# Altium PCB power_load.PcbDoc (part 2 of 2)
Units mm, origin at the board's own origin, x right, y up, seen from the top; angles counter-clockwise.
Board outline 130 x 130 mm, 2 copper layers (TOP, BOT), stack 1.67 mm thick; 142 components, 97 nets, 426 pads, 434 vias.
Unrouted connection lines stored in the file: 70.
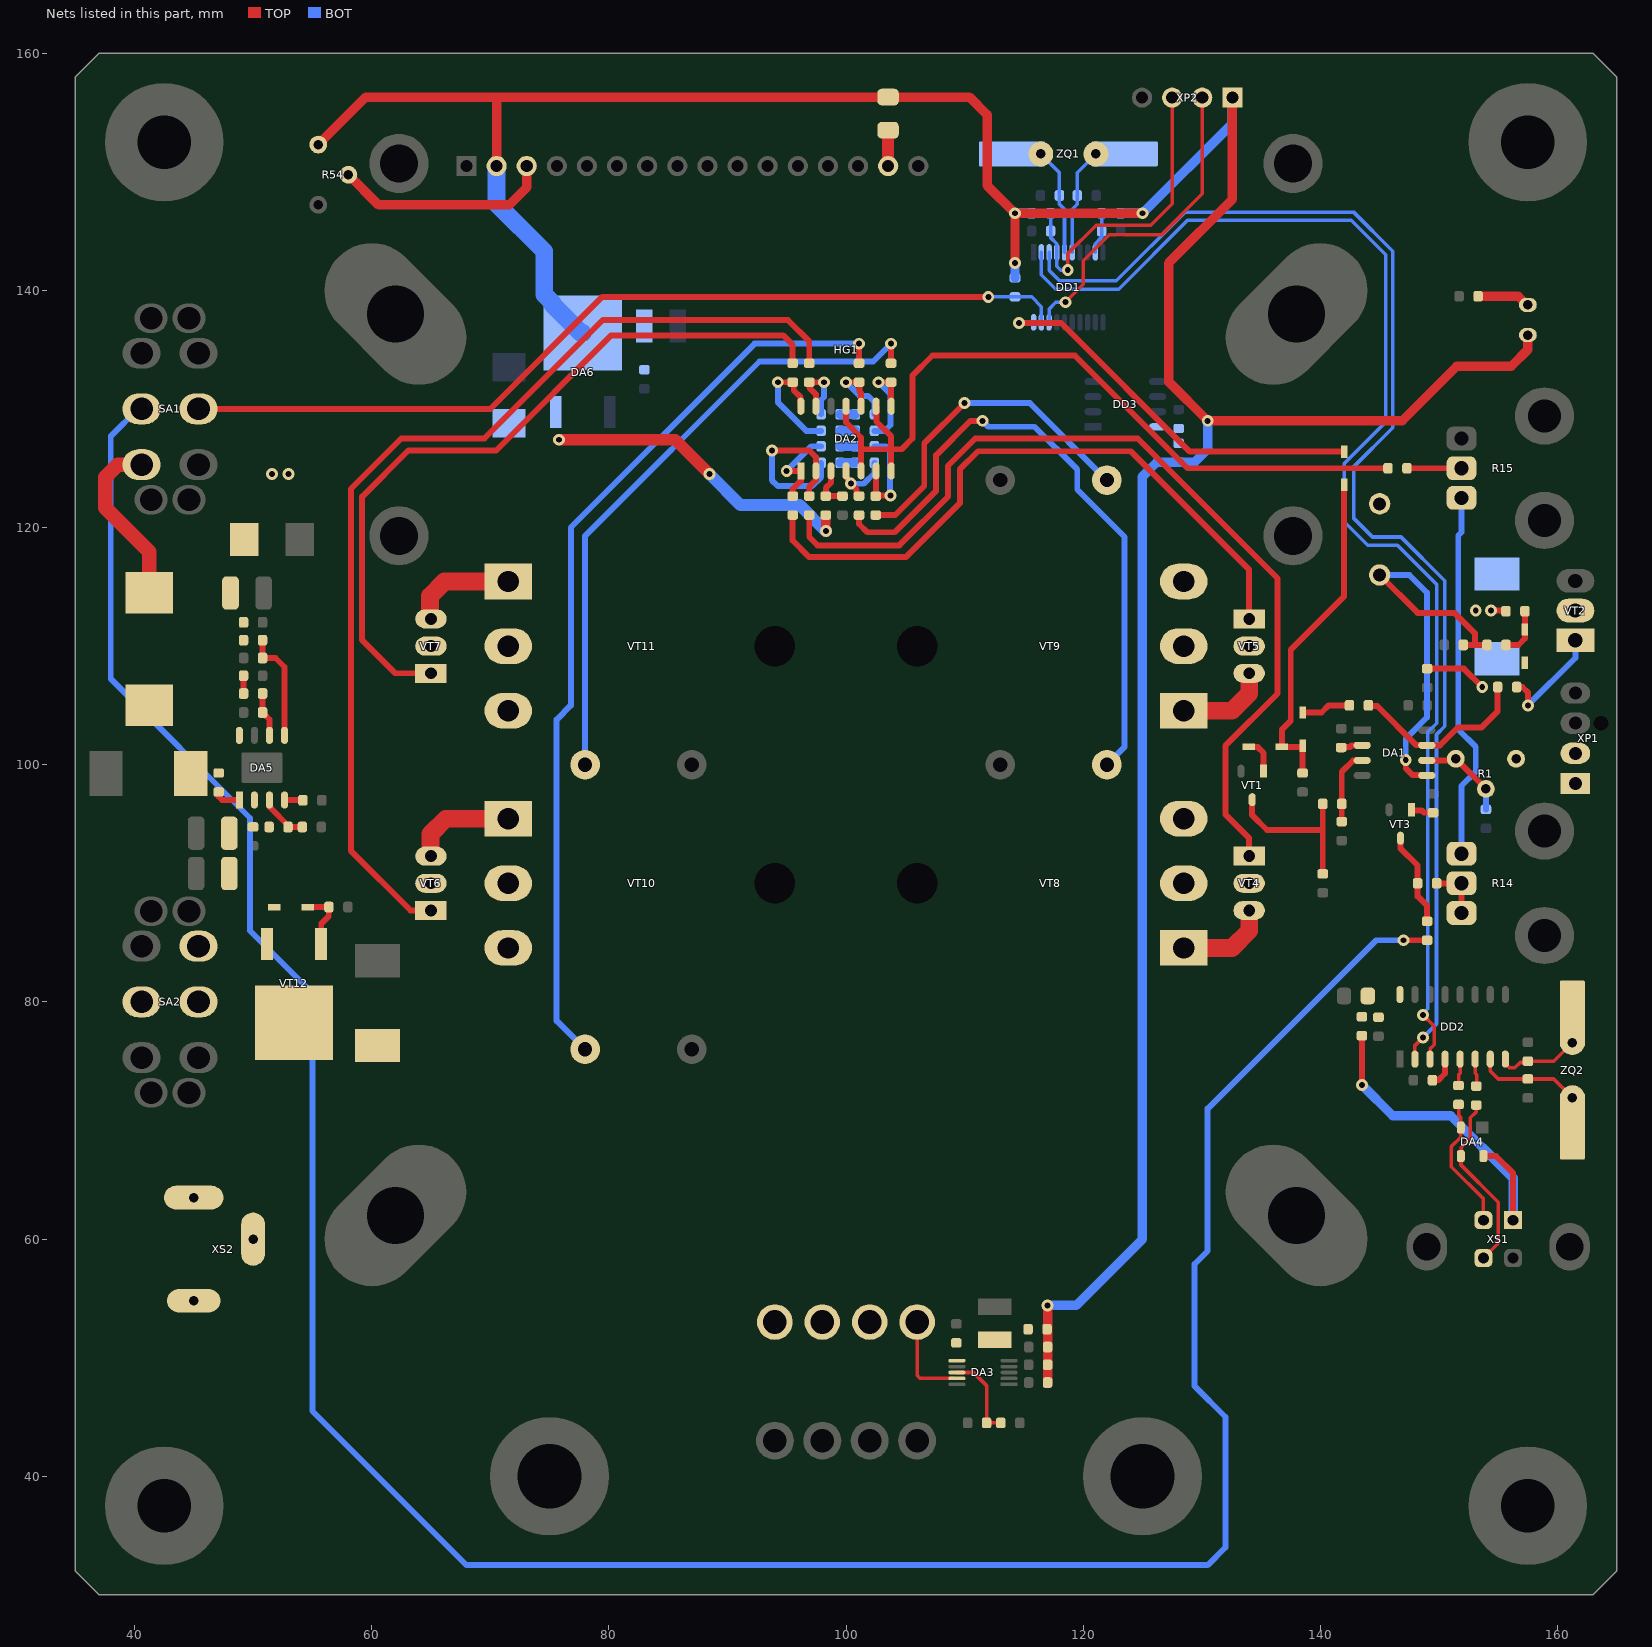
[diagram p2: the nets of this part, all layers, seen from the top]

## Via types
v1: diameter 1, hole 0.5, TOP to BOT, tented both sides, 418 vias
v2: diameter 1.5, hole 0.8, TOP to BOT, tented both sides, 16 vias

## Nets (pads, with @x,y where several pads share a name; then routed paths per layer and width w, separated by ;. In a path a pad name is that pad's centre, name@x,y a point inside that pad or via, vN(x,y) a via of type N, cw(c..) or ccw(c..) an arc to the next point about the centre after c; other vN are vias at no path point) (continued)
NetC2_2: C2.2 DA1.2 | length 1.9
  TOP w0.5: C2.2@141.75,101.45 141.797,101.497 142.497,101.497 142.625,101.625 143.515,101.625 DA1.2@143.525,101.635
NetC3_1: C3.1 DA2.3 Z2.1 | length 3.7
  TOP w0.5: DA2.3@98.73,124.775 98.73,123.78 98.3,123.35 Z2.1@98.3,122.65 C3.1@99.7,122.65
NetC4_1: C4.1 DA2.1 R23.1 | length 7.4
  TOP w0.5: v1(95,124.775) DA2.1@96.19,124.775 96.19,123.94 95.5,123.25 R23.1@95.5,122.65
  BOT w0.5: v1(95,124.775) 97.075,126.85 C4.1@97.9,126.85
NetC4_2: C4.2 R19.2 | length 1.3
  BOT w0.8: C4.2@99.5,126.85 R19.2@100.8,126.85
NetC5_1: C5.1 DA2.2 R25.1 | length 15.8
  TOP w0.5: v1(93.75,126.5) 96.9,126.5 97.46,125.94 DA2.2@97.46,124.775 97.46,124.01 96.9,123.45 R25.1@96.9,122.65
  BOT w0.5: v1(93.75,126.5) 93.75,124 94.25,123.5 97.15,123.5 97.9,124.25 C5.1@97.9,125.45
NetC5_2: C5.2 R20.2 | length 1.3
  BOT w0.8: C5.2@99.5,125.45 R20.2@100.8,125.45
NetC6_1: C6.1 DA2.14 R27.1 | length 9.9
  TOP w0.5: v1(94.25,132.25) R27.1@95.5,132.25 95.597,132.153 95.597,131.553 96.171,130.979 96.171,130.244 DA2.14@96.19,130.225
  BOT w0.5: v1(94.25,132.25) 94.25,130.55 96.65,128.15 C6.1@97.9,128.15
NetC6_2: C6.2 R21.2 | length 1.3
  BOT w0.8: C6.2@99.5,128.15 R21.2@100.8,128.15
NetC7_1: C7.1 DA2.13 R29.1 | length 6.3
  TOP w0.5: DA2.13@97.46,130.225 97.46,131.24 96.9,131.8 R29.1@96.9,132.25 v1(98.15,132.25)
  BOT w0.5: C7.1@97.9,129.55 97.9,130.75 98.15,131 v1(98.15,132.25)
NetC7_2: C7.2 R22.2 | length 1.3
  BOT w0.8: C7.2@99.5,129.55 R22.2@100.8,129.55
NetC8_1: C8.1 C9.1 DA3.6 Z3.2
NetC12_2: C12.2 DD2.7 ZQ2.1 | length 8.9
  TOP w0.3: DD2.7@154.325,75.175 154.325,74.175 155,73.5 C12.2@157.5,73.5 159.675,73.5 ZQ2.1@161.25,71.925
NetC13_1: C13.1 C16.1 DD2.16 Z4.2
NetC14_2: C14.2 DD2.8 ZQ2.2 | length 7.1
  TOP w0.3: DD2.8@155.595,75.175 155.595,74.805 155.95,74.45 156.4,74.45 156.84,74.89 157.39,74.89 C14.2@157.5,75 159.675,75 ZQ2.2@161.25,76.575
NetC15_1: C15.1 DD2.4 | length 2.5
  TOP w0.5: C15.1@149.45,73.4 149.95,73.4 150.515,73.965 DD2.4@150.515,75.175
NetC17_2: C17.2 DD1.9 Z5.1 | length 3.5
  BOT w0.3: DD1.9@121.025,143.2 121.025,143.925 121.55,144.45 C17.2@121.55,145 Z5.1@121.55,146.5
NetC18_2: C18.2 C19.2 C21.2 DA5.2 R49.1 VD7.1 VT12.3
NetC22_2: C22.2 R52.2 | length 1.5
  TOP w0.5: R52.2@49.2,106 C22.2@49.2,107.5
NetC24_2: C24.2 DA5.6 R52.1 | length 3.5
  TOP w0.5: C24.2@50.8,104.4 R52.1@50.8,106 ; C24.2@51,104.2 51.385,103.815 DA5.6@51.385,102.475
NetC26_1: C26.1 DA5.8 L1.1 VD8.2
NetC26_2: C26.2 DA5.1 | length 2.2
  TOP w0.5: C26.2@47.1,97.7 47.1,97.318 47.393,97.025 DA5.1@48.845,97.025
NetC32_1: C32.1 DD3.8 Z6.1
NetDA1_3: DA1.3 R10.1 R11.2 | length 6.3
  TOP w0.5: R11.2@141.8,95.2 R10.1@141.8,96.7 141.8,99.4 142.746,100.346 143.506,100.346 DA1.3@143.525,100.365
NetDA1_5: DA1.5 KT2.1 R4.2 R7.2 | length 35.3
  TOP w0.5: KT2.1@145,115.7 KT2.1@145,115.8 ; KT2.1@145,116 148.2,112.8 151.3,112.8 153.05,111.05 153.05,110.1 ; v1(147.2,100.4) 147.2,99.7 147.786,99.114 148.956,99.114 DA1.5@148.975,99.095 ; R4.2@152.05,110.1 153.05,110.1 ; R7.2@154.05,110.1 153.05,110.1
  BOT w0.5: KT2.1@145,116 147.5,116 148.977,114.523 148.977,103.977 147.2,102.2 v1(147.2,100.4)
NetDA1_6: DA1.6 R1.2 R1.3 R3.2 | length 7.9
  TOP w0.5: DA1.6@148.975,100.365 151.285,100.365 R1.3@151.42,100.5 ; R1.3@151.45,100.53 R1.3@151.42,100.5 ; R1.2@153.96,97.96 R1.3@151.42,100.5
  BOT w0.5: R3.2@153.96,96.23 R1.2@153.96,97.96
NetDA1_7: DA1.7 R2.1 R8.1 | length 15.5
  TOP w0.5: R2.1@144.05,105 144.096,104.954 144.797,104.954 148.097,101.654 148.956,101.654 DA1.7@148.975,101.635 150.085,101.635 151.6,103.15 153.6,103.15 154.95,104.5 R8.1@154.95,106.55
NetDA2_4: DA2.4 R20.1 R26.1 | length 5.8
  TOP w0.5: DA2.4@100,124.775 100.019,124.756 100.019,124.239 100.404,123.855 100.404,123.673 100.9,123.177 100.9,122.8 101.05,122.65 R26.1@101.1,122.65
  BOT w0.5: v1(100.404,123.72) 100.433,123.69 101.49,123.69 102.4,124.6 R20.1@102.4,125.45
NetDA2_5: DA2.5 DA2.7 DA2.9 DA2.11 R18.2 | length 66.7
  TOP w0.5: DA2.11@100,130.225 100,128.863 101.27,127.593 101.27,126.6 ; DA2.5@101.27,124.775 101.27,126.6 ; DA2.9@102.54,130.225 102.559,130.206 102.559,128.941 103.81,127.69 103.81,126.6 ; DA2.7@103.81,124.775 103.81,126.6 ; R18.2@145.7,125 128.8,125 119.3,134.5 107.3,134.5 105.6,132.8 105.6,127.5 104.7,126.6 103.81,126.6 ; 101.27,126.6 103.81,126.6
NetDA2_6: DA2.6 R19.1 R24.1 | length 8.6
  TOP w0.5: R24.1@102.5,122.65 R24.1@102.54,122.69 ; DA2.6@102.54,124.775 R24.1@102.54,122.69 ; v1(103.75,122.7) 102.55,122.7 R24.1@102.54,122.69
  BOT w0.5: R19.1@102.4,126.85 103.35,126.85 103.7,126.5 103.7,122.75 v1(103.75,122.7)
NetDA2_8: DA2.8 R21.1 R28.1 | length 8.7
  TOP w0.5: v1(102.75,132.25) R28.1@103.8,132.25 103.8,130.235 DA2.8@103.81,130.225
  BOT w0.5: R21.1@102.4,128.15 103.25,128.15 103.75,128.65 103.75,131.25 v1(102.75,132.25)
NetDA2_10: DA2.10 R22.1 R30.1 | length 7.3
  TOP w0.5: v1(100,132.25) R30.1@101.1,132.25 101.122,132.228 101.122,131.478 101.27,131.33 DA2.10@101.27,130.225
  BOT w0.5: v1(100,132.25) 101.15,131.1 101.85,131.1 102.4,130.55 R22.1@102.4,129.55
NetDA3_8: DA3.8 R39.2 R40.1 | length 7.3
  TOP w0.3: DA3.8@109.35,48.75 110.75,48.75 111.85,47.65 R39.2@111.85,44.5 R40.1@113.05,44.5
NetDA3_9: DA3.9 R35.1 R36.1 R37.1 R38.1 VT4.2 VT5.2 VT6.2 VT7.2 VT8.2 VT9.2 VT10.2 VT11.2 | length 7.7
  TOP w0.3: R35.1@106,53 106,48.5 106.25,48.25 DA3.9@109.05,48.25
NetDA4_2: DA4.2 R44.1 XS1.2 | length 11.3
  TOP w0.3: R44.1@151.65,71.35 151.65,70.483 151.85,70.282 DA4.2@151.85,69.4 151.85,68.6 151.05,67.8 151.05,66.1 153.75,63.4 XS1.2@153.75,61.6
NetDA4_3: DA4.3 R45.1 XS1.3 | length 15.3
  TOP w0.3: R45.1@153.15,71.3 153.15,70.722 152.65,70.222 152.65,68.5 151.883,67.733 151.883,67.033 DA4.3@151.85,67 151.858,66.992 151.858,66.242 155,63.1 155,59.65 XS1.3@153.75,58.4
NetDA4_4: DA4.4 XS1.1 Z4.1 | length 30.8
  TOP w0.5: v1(143.5,73) Z4.1@143.5,77.15 ; DA4.4@153.75,67 154.8,67 156.25,65.55 XS1.1@156.25,61.6
  BOT w0.8: v1(143.5,73) 146.1,70.4 151,70.4 156.25,65.15 XS1.1@156.25,61.6
NetDA5_3: DA5.3 R49.2 R50.2 | length 4
  TOP w0.5: DA5.3@51.4,97.01 51.4,96.427 53.077,94.75 R50.2@54.16,94.75
NetDA5_4: DA5.4 R51.1 | length 1.6
  TOP w0.5: DA5.4@52.655,97.025 52.667,97.012 54.188,97.012 R51.1@54.2,97
NetDA5_5: DA5.5 R55.2 R56.1 | length 9.4
  TOP w0.5: R56.1@50.8,110.5 R55.2@50.8,109 51.9,109 52.655,108.245 DA5.5@52.655,102.475
NetDD2_5: DD2.5 R44.2 | length 2.3
  TOP w0.3: R44.2@151.65,72.95 151.65,73.85 151.785,73.985 DD2.5@151.785,75.175
NetDD2_6: DD2.6 R45.2 | length 2.3
  TOP w0.3: DD2.6@153.055,75.175 153.055,73.985 153.19,73.85 R45.2@153.19,72.95
NetHG1_3: HG1.3 R54.2 | length 18.5
  TOP w0.8: R54.2@58.04,149.75 60.58,147.21 71.61,147.21 73.077,148.677 HG1.3@73.077,150.484
NetHG1_15: HG1.15 R53.2 | length 3
  TOP w1: HG1.15@103.55,150.489 R53.2@103.55,153.5
  TOP w1.5: HG1.15@103.55,150.489 HG1.15@103.556,150.483
NetHL1_1: HL1.1 R47.2 | length 4.5
  TOP w0.8: R47.2@153.3,139.5 156.681,139.5 157.411,138.77 HL1.1@157.5,138.77
NetR2_2: R2.2 VD2.1 | length 4.2
  TOP w0.5: VD2.1@138.5,104.4 140.1,104.4 140.7,105 R2.2@142.45,105
NetR5_1: R5.1 VD1.1 VD2.2 VD3.2 | length 28.3
  TOP w0.5: R5.1@138.5,99.3 VD2.2@138.5,101.525 ; VD2.2@138.5,101.6 VD2.2@138.5,101.525 ; VD1.1@142,123.6 142,114.2 137.5,109.7 137.5,103.7 136.75,102.95 VD3.2@136.75,101.5 138.475,101.5 VD2.2@138.5,101.525
NetR6_2: R6.2 VT3.1 | length 1.9
  TOP w0.5: VT3.1@147.7,96.2 147.75,96.15 148.536,96.15 148.736,95.95 R6.2@149.5,95.95
NetR7_1: R7.1 R16.1 VD4.1 | length 4.1
  TOP w0.5: R7.1@155.65,110.1 156.701,110.1 157.25,110.649 VD4.1@157.25,111.4 R16.1@157.25,112.95
NetR8_2: R8.2 VT2.1 | length 9.4
  TOP w0.5: R8.2@156.55,106.55 157.05,106.55 157.5,106.1 v1(157.5,105)
  BOT w0.5: v1(157.5,105) 161.5,109 VT2.1@161.5,110.5
NetR9_1: R9.1 R10.2 VT1.3 | length 13.6
  TOP w0.5: VT1.3@134.25,97.05 134.25,95.75 135.5,94.5 140.175,94.5 ; R9.1@140.2,90.8 R10.2@140.2,96.7
NetR12_1: R12.1 R13.2 VT3.3 | length 7.9
  TOP w0.5: VT3.3@146.75,93.8 146.75,92.95 148.2,91.5 R13.2@148.2,90 148.2,88.9 149,88.1 R12.1@149,86.8
NetR12_2: R12.2 SA1.3 | length 238.7
  TOP w0.5: v1(147,85.2) R12.2@149,85.2
  BOT w0.5: SA1.3@40.6,130 40.3,130 38,127.7 38,107.25 49.75,95.5 49.75,86 55,80.75 55,45.5 68,32.5 130.5,32.5 132,34 132,45 129.4,47.6 129.4,57.9 130.5,59 130.5,71 144.7,85.2 v1(147,85.2)
NetR13_1: R13.1 R14.2 R14.3 | length 4.6
  TOP w0.5: R13.1@149.8,90 R14.2@151.9,90 R14.3@151.9,87.5
NetR14_1: R14.1 R15.3 | length 31.2
  BOT w0.5: R14.1@151.9,92.5 151.9,98.214 153.1,99.414 153.1,101.5 151.625,102.975 151.625,119.325 151.9,119.6 R15.3@151.9,122.5
NetR15_2: R15.2 R18.1 | length 4.6
  TOP w0.5: R18.1@147.3,125 R15.2@151.9,125
NetR23_2: R23.2 VT5.1 | length 54.9
  TOP w0.5: R23.2@95.5,121.05 95.5,118.9 96.9,117.5 105.052,117.5 109.6,122.048 109.6,124.9 111.133,126.433 124.004,126.433 134,116.438 VT5.1@134,112.29
NetR24_2: R24.2 R32.2 VT9.3 | length 28.2
  TOP w0.5: R24.2@102.5,121.05 104.15,121.05 106.6,123.5 106.6,127.1 v1(110,130.5)
  BOT w0.5: v1(110,130.5) 115.5,130.5 R32.2@122,124
NetR25_2: R25.2 VT4.1 | length 77.8
  TOP w0.5: R25.2@96.9,121.05 96.9,119.2 97.6,118.5 104.5,118.5 108.6,122.6 108.6,125.2 110.9,127.5 124.6,127.5 136.4,115.7 136.4,106 131.991,101.591 131.991,95.809 134,93.8 VT4.1@134,92.29
NetR26_2: R26.2 R31.2 VT8.3 | length 54
  TOP w0.5: R26.2@101.1,121.05 101.1,120.3 101.8,119.6 104.1,119.6 107.6,123.1 107.6,126.1 110.5,129 v1(111.5,129)
  BOT w0.5: v1(111.5,129) 112,128.5 115.9,128.5 119.5,124.9 119.5,123.2 123.5,119.2 123.5,101.5 R31.2@122,100
NetR27_2: R27.2 VT7.1 | length 62.4
  TOP w0.5: VT7.1@64.5,107.71 61.99,107.71 59.2,110.5 59.2,122.6 63.1,126.5 70.5,126.5 80.2,136.2 94.7,136.2 95.5,135.4 R27.2@95.5,133.85
NetR28_2: R28.2 R34.2 VT11.3 | length 53.5
  TOP w0.5: R28.2@103.8,133.85 v1(103.8,135.5)
  BOT w0.5: R34.2@78,100 78,119.3 92.7,134 102.3,134 v1(103.8,135.5)
NetR29_2: R29.2 VT6.1 | length 86
  TOP w0.5: VT6.1@64.5,87.71 63.29,87.71 58.25,92.75 58.25,123.25 62.5,127.5 69.5,127.5 79.5,137.5 95.1,137.5 96.9,135.7 R29.2@96.9,133.85
NetR30_2: R30.2 R33.2 VT10.3 | length 77.9
  TOP w0.5: R30.2@101.1,133.85 v1(101.1,135.5)
  BOT w0.5: R33.2@78,76 75.6,78.4 75.6,103.8 76.8,105 76.8,120 92.3,135.5 v1(101.1,135.5)
NetR46_2: R46.2 VD7.2 VT12.1 | length 5.2
  TOP w0.5: VD7.2@54.6,88 R46.2@56.4,88 56.4,87.817 56.383,87.8 56.383,87.223 55.75,86.59 55.75,84.92 VT12.1@55.73,84.9
NetSA2_1: SA2.1 VD6.2 VT12.2
NetSA2_3: SA2.3 XS2.1
NetSA2_4: SA2.4 XS2.2 XS2.3
NetVD3_1: VD3.1 VT1.1 | length 3
  TOP w0.5: VD3.1@133.95,101.5 133.975,101.475 134.725,101.475 135.2,101 VT1.1@135.2,99.45
NetVD4_2: VD4.2 VD5.1 VT2.2 XP1.1
NetVT4_3: VT4.3 VT8.1 | length 7.8
  TOP w1.5: VT8.1@128.475,84.55 132.55,84.55 134,86 VT4.3@134,87.71
NetVT5_3: VT5.3 VT9.1 | length 7.8
  TOP w1.5: VT9.1@128.475,104.55 132.55,104.55 134,106 VT5.3@134,107.71
NetVT6_3: VT6.3 VT10.1 | length 9.4
  TOP w1.5: VT6.3@64.5,92.29 64.918,92.29 64.964,92.336 64.964,94.164 66.25,95.45 VT10.1@71.525,95.45
NetVT7_3: VT7.3 VT11.1 | length 9.4
  TOP w1.5: VT7.3@64.5,112.29 64.868,112.29 64.914,112.336 64.914,114.214 66.15,115.45 VT11.1@71.525,115.45
NRST: C20.2 DD1.4 R48.1 XP2.3 | length 26.6
  TOP w0.3: v1(118.7,141.7) 118.7,143.1 121.1,145.5 125.7,145.5 127.5,147.3 XP2.3@127.5,156.25
  BOT w0.3: R48.1@117.25,146.5 C20.2@117.25,145 117.25,144.45 117.775,143.925 DD1.4@117.775,143.2 117.775,142.025 118.1,141.7 v1(118.7,141.7)
OFF: DD1.20 VD1.2 | length 32.9
  TOP w0.5: v1(114.6,137.25) 118.15,137.25 129,126.4 VD1.2@142,126.4
  BOT w0.5: v1(114.6,137.25) 115.6,137.25
OSC_IN: C11.1 DD1.5 ZQ1.2 | length 9.1
  BOT w0.3: ZQ1.2@116.425,151.5 118,149.925 C11.1@118,148 118,147.25 118.425,146.825 DD1.5@118.425,143.2
OSC_OUT: C10.1 DD1.6 ZQ1.1 | length 9.1
  BOT w0.3: DD1.6@119.075,143.2 119.075,146.825 119.5,147.25 C10.1@119.5,148 119.5,149.925 ZQ1.1@121.075,151.5
RUN_MODE: DD1.19 R17.1 SA1.4 | length 76.7
  TOP w0.5: SA1.4@45.4,130 70,130 79.45,139.45 v1(112,139.45)
  BOT w0.3: v1(112,139.45) R17.1@114.25,139.45 115.65,139.45 116.475,138.625 DD1.19@116.475,137.3
SWIO: DD1.18 XP2.2 | length 27.3
  TOP w0.3: v1(118.5,139) 120,140.5 120,142.5 122.2,144.7 126.6,144.7 130.04,148.14 XP2.2@130.04,156.25
  BOT w0.3: DD1.18@117.125,137.3 117.125,138.425 117.7,139 v1(118.5,139)
UART_RX: DD1.3 DD2.2 | length 109.8
  TOP w0.3: DD2.2@147.975,75.175 147.975,76.325 v1(148.65,77)
  BOT w0.3: DD1.3@117.125,143.2 117.125,141.675 118,140.8 122.8,140.8 128.6,146.6 142.8,146.6 146.1,143.3 146.1,128.4 142.8,125.1 142.8,120.8 144.4,119.2 146.8,119.2 150.5,115.5 150.5,103.25 149.791,102.541 149.791,78.141 v1(148.65,77)
UART_TX: DD1.2 DD2.3 | length 110
  TOP w0.3: v1(148.65,78.9) 149.6,77.95 149.6,76.4 149.25,76.05 149.25,75.18 DD2.3@149.245,75.175
  BOT w0.3: DD1.2@116.475,143.2 116.475,141.325 117.7,140.1 123,140.1 128.8,145.9 142.6,145.9 145.5,143 145.5,128.9 142,125.4 142,120.5 144,118.5 146.5,118.5 149.8,115.2 149.8,103.5 149.059,102.759 149.059,79.426 148.65,79.016 v1(148.65,78.9)
VCC_5V0: C27.2 C28.1 DA6.2 HG1.2 HL1.2 R17.2 R41.2 R42.2 R43.2 R48.2 R53.1 R54.1 XP2.1 Z3.1 Z5.2 Z6.2 | length 274.8
  TOP w0.8: R54.1@55.5,152.29 59.51,156.3 R53.1@103.55,156.3 110.4,156.3 111.9,154.8 111.9,148.85 v1(114.25,146.5) ; HG1.2@70.537,150.484 70.537,156.263 ; v1(114.25,142.3) v1(114.25,146.5) ; R43.2@117,47.9 117,48.067 R41.2@117,50.9 v1(117,54.4) ; v1(125,146.5) v1(114.25,146.5) ; XP2.1@132.58,156.25 132.58,147.68 127.2,142.3 127.2,132.3 v1(130.5,129) 146.9,129 151.5,133.6 156.1,133.6 157.5,135 HL1.2@157.5,136.23
  BOT w0.8: R17.2@114.25,141.05 v1(114.25,142.3) ; v1(114.25,146.5) R48.2@115.65,146.5 ; v1(117,54.4) 119.41,54.4 125,59.99 125,124.3 126.2,125.5 129.4,125.5 130.5,126.6 v1(130.5,129) ; Z5.2@123.15,146.5 v1(125,146.5) 132.58,154.08 XP2.1@132.58,156.25
  BOT w1.5: HG1.2@70.537,150.484 70.537,147.3 74.55,143.288 74.55,139.65 75.25,138.95 75.25,138.8 77.65,136.4 DA6.2@77.8,136.4
VCC_12V0: C23.1 C25.2 C29.2 C30.2 C31.1 DA6.3 KT1.1 L1.2 R1.1 R16.2 R56.2 SA1.1 VD5.2 XP1.2 Z1.2 Z2.2 | length 48.4
  TOP w0.5: Z1.2@149,108.1 152.1,108.1 v1(153.65,106.55) ; v1(154.4,113) 155.6,113 R16.2@155.65,112.95
  TOP w0.8: v1(98.3,119.7) Z2.2@98.3,121.05
  TOP w1: v1(75.8,127.4) 85.6,127.4 v1(88.5,124.5)
  TOP w1.2: SA1.1@40.6,125.3 38.6,125.3 37.541,124.241 37.541,121.659 41.25,117.95 L1.2@41.25,114.5
  BOT w1: v1(88.5,124.5) 91.1,121.9 96.1,121.9 v1(98.3,119.7)
  other v1: 153.1,113 51.6,124.5 53,124.5
pads on no net: DD2.9 DD2.10 DD2.11 DD2.12 DD2.13 DD2.14 DD2.15 HG1.7 HG1.8 HG1.9 HG1.10 HG1.M1 HG1.M2 HG1.M3 HG1.M4 MECH1.1 MECH2.1 MECH3.1 MECH4.1 R14.4 R14.5 R15.4 R15.5 SA1.6 SA2.5 SA2.6 VT8.M VT9.M VT10.M VT11.M XP1.0 XP1.3 XP1.4

## Polygon pours and split planes (outlines as drawn)
GND on TOP "TOP-GND" (solid, remove dead copper, pour order 36): 132.494,47.5 ccw(c132.5,50.028) 132.5,47.5 cw(c132.5,45) 135,45 135,35 ccw(c137.5,35) 137.5,32.5 145,32.5 ccw(c145,35) 147.5,35 147.5,45 cw(c150,45) 150,47.5 160,47.5 ccw(c160,50) 162.5,50 162.5,140 ccw(c160,140) 160,142.5 150,142.5 cw(c150,145) 147.5,145 147.5,155 ccw(c145,155) 145,157.5 55,157.5 ccw(c55,155) 52.5,155 52.5,145 cw(c50,145) 50,142.5 40,142.5 ccw(c40,140) 37.501,140.073 37.5,120.25 cw(c36.75,120.25) 36.75,119.5 ccw(c36.75,118.75) 36,118.75 35.999,89.251 ccw(c36.75,89.251) 36.75,88.5 cw(c36.75,87.75) 37.5,87.75 37.5,50 ccw(c40,50) 40,47.5 50,47.5 cw(c50,45) 52.5,45 52.5,35 ccw(c55,35) 55,32.5 75,32.5 ccw(c75,40) 82.5,40 82.5,45 ccw(c75,45) 75,52.5 57.5,52.5 cw(c57.5,55) 55,55 55,60.672 cw(c59.414,60.672) 56.293,63.793 64.086,71.586 ccw(c60.674,74.999) 65.5,75 65.5,81.042 65.5,81.043 ccw(c61.982,81.043) 64.469,83.531 57.207,90.793 cw(c58.914,92.5) 56.5,92.5 56.5,119 cw(c60,119) 60,122.5 63.586,122.5 cw(c63.587,119.088) 66,121.5 66.439,121.061 ccw(c69,123.621) 69,120 100.938,120 ccw(c100.938,124.062) 105,124.062 105,127 cw(c110.5,127) 110.5,132.5 123,132.5 137,118.5 137,108.364 cw(c131.293,108.364) 135.328,104.328 133.383,102.383 ccw(c135.515,100.251) 132.5,100.251 132.5,98.5 ccw(c134.914,98.5) 133.207,96.793 135.439,94.561 cw(c132.879,92) 136.5,92 136.5,83 cw(c132.879,83) 135.439,80.439 132.121,77.121 ccw(c137.242,72) 130,72 130,63.8 cw(c127.45,63.8) 127.45,61.25 111,61.25 ccw(c111,58.75) 108.5,58.75 108.5,47.25 ccw(c109.5,47.25) 109.5,46.25 112.75,46.25 cw(c112.75,45) 114,45 114,44 ccw(c114.75,44) 114.75,43.25 115.189,43.25 ccw(c115.189,45.811) 117,44 119.689,46.689 cw(c121.646,44.732) 121.646,47.5
NetSA2_4 on TOP "NONET_L-01_P-001" (solid, pour order 9): 41,82 39,82 ccw(c39,79) 36,79 36,55.5 ccw(c38.5,55.5) 38.5,53 50,53 ccw(c50,55.5) 52.5,55.5 52.5,62.5 ccw(c51,62.5) 51,64 50,64 ccw(c50,62.5) 48.5,62.5 48.5,61.5 cw(c47,61.5) 47,60 42.5,60 cw(c42.5,64) 38.5,64 38.5,76.5 cw(c40,76.5) 40,78 41,78 ccw(c41,80) 43,80 ccw(c41,80)
NetVD4_2 on TOP "TOP-NetVD4_2" (solid, pour order 29): 159.55,97.35 162.45,97.35 ccw(c162.45,98.4) 163.5,98.4 ccw(c162.4,98.4) 162.4,99.5 160.15,99.5 cw(c160.15,100.2) 159.45,100.2 159.45,111.25 cw(c160.15,111.25) 160.15,111.95 162.45,111.95 ccw(c162.45,113) 163.5,113 ccw(c162.45,113) 162.45,114.05 159.55,114.05 ccw(c159.55,112.75) 158.25,112.75 158.25,110.5 cw(c157.15,110.5) 157.15,109.4 ccw(c157.15,108.5) 156.25,108.5 ccw(c157.15,108.5) 157.15,107.6 cw(c157.15,106.5) 158.25,106.5 158.25,98.65 ccw(c159.55,98.65)
VCC_12V0 on TOP "NONET_L-01_P-001" (solid, pour order 26): 143.75,121.25 152.555,112.445 ccw(c153.75,113.64) 153.75,111.95 155.5,111.95 ccw(c155.5,112.95) 156.5,112.95 ccw(c155.5,112.95) 155.5,113.95 155.25,113.95 cw(c155.25,114.433) 154.909,114.091 145.75,123.25 ccw(c144.75,122.25) 143.75,123.25 ccw(c144.75,122.25)
NetC13_1 on TOP "NONET_L-01_P-001" (solid, pour order 14): 143,78.6 143,80.8 cw(c144,80.8) 144,81.8 146.3,81.8 cw(c146.3,80.8) 147.3,80.8 147.3,80.266 cw(c145.934,80.266) 146.9,79.3 146.2,78.6 cw(c144.993,79.807) 144.993,78.1 143.5,78.1 cw(c143.5,78.6)
NetR24_2 on TOP "NONET_L-01_P-001" (solid, pour order 12): 123.5,125 131.646,116.854 cw(c130.793,116) 132,116 132,115.5 cw(c130,115.5) 130,113.5 124.5,113.5 cw(c124.5,116.88) 122.11,114.49 118.49,118.11 cw(c120.88,120.5) 117.5,120.5 117.5,123.5 cw(c119.5,123.5) 119.5,125.5 122.293,125.5 cw(c122.293,123.793)
NetDA3_9 on TOP "NONET_L-01_P-001" (solid, pour order 1): 68.121,112.121 68.222,112.222 cw(c70.099,110.345) 70.1,113 128.286,113 cw(c128.286,109.345) 130.871,111.929 ccw(c133.114,114.173) 133.114,111 134.6,111 cw(c134.6,110) 135.6,110 cw(c134.6,110) 134.6,109 133.073,109 ccw(c133.073,105.927) 130.9,108.1 cw(c128.244,110.755) 128.244,107 124.5,107 ccw(c124.5,101.5) 119,101.5 119,98.5 ccw(c124.5,98.5) 124.5,93 128.444,93 cw(c128.445,89.245) 131.089,91.911 ccw(c133.3,94.139) 133.3,91 134.6,91 cw(c134.6,90) 135.6,90 cw(c134.6,90) 134.6,89 133.314,89 ccw(c133.314,85.828) 131.071,88.071 cw(c128.486,90.655) 128.486,87 118.5,87 ccw(c118.5,76.5) 108,76.5 108,53 cw(c106.001,52.999) 106,51 94,51 cw(c94,53) 92,53 92,76.5 ccw(c81.5,76.5) 81.5,87 70.243,87 cw(c70.242,90) 68.121,87.879 67.929,88.071 ccw(c65.687,85.83) 65.686,89 64,89 cw(c64,90) 63,90 cw(c64,90) 64,91 65.7,91 ccw(c65.7,94.138) 67.919,91.919 68.121,92.121 cw(c70.242,90.001) 70.243,93 75.5,93 ccw(c75.5,98.5) 81,98.5 81,101.5 ccw(c75.5,101.5) 75.5,107 70.11,107 cw(c70.11,109.68) 68.215,107.785 68.121,107.879 ccw(c65.415,105.173) 65.414,109 64,109 cw(c64,110) 63,110 cw(c64,110) 64,111 65.414,111 ccw(c65.414,114.828)
NetR26_2 on TOP "NONET_L-01_P-001" (solid, pour order 31): 130,93.9 124.9,93.9 cw(c124.9,96.314) 123.193,94.607 120.849,96.951 cw(c122.897,99) 120,99 120,100 cw(c122,100) 122,102 130,102 cw(c130,101) 131,101 131,94.9 cw(c130,94.9)
LOAD on TOP "NONET_L-01_P-001" (solid, pour order 2): 92.9,45 108.3,45 ccw(c108.3,45.724) 108.812,45.212 cw(c109.265,44.759) 109.266,45.4 109.992,45.4 cw(c109.992,44.415) 110.689,45.111 cw(c110.421,44.843) 110.8,44.843 110.8,43 ccw(c111.8,43) 111.8,42 116,42 ccw(c116,45.764) 119.078,43.598 cw(c123.706,40.342) 123.706,46 125.6,46 cw(c125.6,40.6) 131,40.6 131,37 cw(c126,37) 126,32 93,32 cw(c93,34) 91,34 91,43.1 cw(c92.9,43.1)
NetC8_1 on TOP "NONET_L-01_P-001" (solid, pour order 20): 115.55,53 111.75,53 ccw(c111.75,51.914) 110.982,52.682 110.665,52.365 cw(c109.784,53.245) 109.784,52 108.75,52 ccw(c108.75,51.8) 108.55,51.8 108.55,49.8 ccw(c108.75,49.8) 108.75,49.6 109.859,49.6 ccw(c109.859,50.784) 110.697,49.947 111.2,50.45 cw(c112.045,49.605) 112.045,50.8 114.05,50.8 ccw(c114.05,51.3) 114.55,51.3 cw(c115,51.3) 115,51.75 115.55,51.75 ccw(c115.55,52.25) 116.05,52.25 116.05,52.5 ccw(c115.55,52.5)
VCC_12V0 on TOP "TOP-VCC_12V0" (solid, pour order 18): 38.702,112.798 ccw(c39.5,112.798) 39.5,112 46.8,112 cw(c46.8,111.518) 47.141,111.859 47.359,111.641 cw(c47.018,111.301) 47.5,111.3 47.5,110.4 ccw(c48.1,110.4) 48.1,109.8 49.3,109.8 ccw(c49.3,110.4) 49.9,110.4 49.9,112.1 ccw(c49.176,112.1) 49.688,112.612 49.212,113.088 cw(c49.724,113.6) 49,113.6 49,115.4 cw(c49.966,115.4) 49.283,116.083 50.555,117.355 ccw(c50.207,117.704) 50.7,117.705 50.7,119.147 cw(c52.034,119.147) 51.091,120.091 53.262,122.262 ccw(c51.48,124.044) 54,124.044 54,124.5 ccw(c52.5,124.5) 52.5,126 52.1,126 ccw(c52.1,124.455) 50.555,124.455 cw(c49.59,124.455) 50.273,123.773 44,117.5 cw(c42.793,118.706) 42.793,117 39.5,117 ccw(c39.5,116.202) 38.702,116.202
NetR30_2 on TOP "NONET_L-01_P-001" (solid, pour order 11): 70,86.2 74.362,86.2 cw(c74.362,82.244) 77.159,85.041 78.444,83.756 cw(c74.689,80) 80,80 80,76 cw(c77.5,76) 77.5,73.5 71.5,73.5 cw(c71.5,76) 69,76 69,85.2 cw(c70,85.2)
NetSA2_1 on TOP "NONET_L-01_P-001" (solid, pour order 8): 44.5,86 47.5,86 cw(c47.5,85) 48.5,85 48.5,84 ccw(c49.707,84) 48.854,83.146 49.646,82.354 ccw(c50.5,83.207) 50.5,82 56.5,82 cw(c56.5,81) 57.374,81.486 ccw(c58.2,81.945) 58.2,81 62.5,81 cw(c62.5,79.5) 64,79.5 64,75.5 cw(c62.5,75.5) 62.5,74 50.5,74 cw(c50.5,75.5) 49,75.5 49,78.5 ccw(c46.345,78.5) 48.222,80.378 46.029,82.571 ccw(c44.993,81.534) 44.993,83 44.5,83 cw(c44.5,84.5) 43,84.5 cw(c44.5,84.5)
NetC18_2 on TOP "NONET_L-01_P-001" (solid, pour order 5): 47.254,89.146 49.234,87.166 cw(c47.869,85.8) 49.8,85.8 49.8,83.5 ccw(c50.6,83.5) 50.6,82.7 51.8,82.7 ccw(c51.8,83.5) 52.6,83.5 52.6,87.8 ccw(c51.152,87.8) 52.176,88.824 49.729,91.271 cw(c51.007,92.549) 49.2,92.549 49.2,93.4 cw(c49.8,93.4) 49.8,94 51.3,94 ccw(c51.3,94.5) 51.8,94.5 51.8,94.903 ccw(c51.566,94.903) 51.731,95.069 51,95.8 50.741,96.059 cw(c51.083,96.4) 50.6,96.4 50.6,97.6 ccw(c50.2,97.6) 50.2,98 50,98 ccw(c50,97.6) 49.6,97.6 49.6,96.4 cw(c49,96.4) 49,95.8 47.4,95.8 ccw(c47.4,95.2) 46.8,95.2 46.8,90.243 ccw(c48.351,90.243)
NetC26_1 on TOP "NONET_L-01_P-001" (solid, pour order 6): 38.5,106.7 38.5,104.349 ccw(c40.79,104.349) 39.171,102.729 42.146,99.754 cw(c41.293,98.9) 42.5,98.9 42.5,97.5 ccw(c43.3,97.5) 43.3,96.7 45.5,96.7 ccw(c45.5,97.5) 46.3,97.5 46.3,98.2 cw(c46.541,98.2) 46.371,98.371 46.605,98.605 cw(c46.834,98.376) 46.834,98.7 47.4,98.7 ccw(c47.4,99.1) 47.8,99.1 47.8,101.086 cw(c48.076,101.086) 47.881,101.281 48.029,101.429 cw(c48.2,101.259) 48.2,101.5 48.8,101.5 ccw(c48.8,102.1) 49.4,102.1 49.4,102.9 ccw(c48.8,102.9) 48.8,103.5 45.054,103.5 cw(c45.054,104.838) 44.108,103.892 43.896,104.104 cw(c44.852,105.06) 43.5,105.06 43.5,106.7 ccw(c42.7,106.7) 42.7,107.5 39.3,107.5 ccw(c39.3,106.7)
NetR28_2 on TOP "NONET_L-01_P-001" (solid, pour order 0): 70,106.1 75.1,106.1 cw(c75.1,103.686) 76.807,105.393 79.151,103.049 cw(c77.103,101) 80,101 80,100 cw(c78,100) 78,98 70,98 cw(c70,99) 69,99 69,105.1 cw(c70,105.1)
no net on Top Overlay "NONET_L-01_P-001" (solid): 67.5,41.5 56.5,41.5 56.5,38.5 67.5,38.5
no net on Top Overlay "NONET_L-01_P-001" (solid): 132.5,41.5 132.5,38.5 136.5,38.5 136.5,34.5 139.5,34.5 139.5,38.5 143.5,38.5 143.5,41.5 139.5,41.5 139.5,45.5 136.5,45.5 136.5,41.5
GND on BOT "NONET_L-01_P-001" (solid, remove dead copper, pour order 34): 37.5,50 37.5,140 cw(c40,140) 40,142.5 50,142.5 ccw(c50,145) 52.5,145 52.5,155 cw(c55,155) 55,157.5 145,157.5 cw(c145,155) 147.5,155 147.5,145 ccw(c150,145) 150,142.5 160,142.5 cw(c160,140) 162.5,140 162.5,50 cw(c160,50) 160,47.5 150,47.5 ccw(c150,45) 147.5,45 147.5,35 cw(c145,35) 145,32.5 136.5,32.5 cw(c136.5,35) 134,35 134,43.75 ccw(c131.5,43.75) 131.5,46.25 108,46.25 cw(c108,47) 107.25,47 107.25,49.5 cw(c108,49.5) 108,50.25 ccw(c108,51) 108.75,51 108.75,59.25 cw(c110.75,59.25) 110.75,61.25 125,61.25 125,67.192 138.5,80 138.5,124 ccw(c136,124) 136,126.5 127,126.5 125.5,128 110,128 ccw(c110,124) 106,124 106,123.5 cw(c101.5,123.5) 101.5,119 70,119 ccw(c70,116.5) 67.5,116.5 67.5,81.385 cw(c62.951,81.384) 66.167,78.167 56.5,68.5 ccw(c61.328,63.672) 54.5,63.672 54.5,50 cw(c52,50) 52,47.5 40,47.5 cw(c40,50)
NetC32_1 on BOT "NONET_L-01_P-001" (solid, pour order 15): 125.8,129 129,129 cw(c129,128.5) 129.5,128.5 129.5,127 cw(c129,127) 129,126.5 127.424,126.5 cw(c127.424,127.524) 126.7,126.8 125.512,127.988 cw(c126.024,128.5) 125.3,128.5 cw(c125.8,128.5)
VCC_12V0 on BOT "BOT-VCC_12V0 1" (solid, pour order 23): 154.409,103.091 155.098,102.402 cw(c154.61,101.914) 155.3,101.914 155.3,100.5 ccw(c156.3,100.5) 156.3,99.5 159.117,99.5 ccw(c159.117,100.183) 159.6,99.7 cw(c160.083,99.217) 160.083,99.9 162,99.9 ccw(c162,100.9) 163,100.9 ccw(c161.9,100.9) 161.9,102 160,102 cw(c160,104.414) 158.293,102.707 156.729,104.271 cw(c157.283,104.824) 156.5,104.824 156.5,105.787 cw(c157.014,105.787) 156.651,106.151 157,106.5 ccw(c155.793,107.707) 157.5,107.707 157.5,111.151 ccw(c155.452,111.152) 156.9,112.6 156.1,113.4 ccw(c154.652,111.953) 154.651,114 153.5,114 ccw(c153.5,113) 152.5,113 152.5,107.7 ccw(c154.19,107.7) 152.995,106.505 153.476,106.024 cw(c152.332,104.88) 153.95,104.879 153.95,104.199 ccw(c155.518,104.199)
VCC_12V0 on BOT "BOT-VCC_12V0" (solid, pour order 30): 52.5,123 64.541,123 ccw(c64.541,125.314) 66.178,123.678 cw(c68.163,121.693) 68.163,124.5 74.793,124.5 ccw(c74.793,126.207) 76,125 77.3,126.3 ccw(c76.093,127.507) 77.8,127.507 77.8,130.5 ccw(c76.8,130.5) 76.8,131.5 71.592,131.5 ccw(c71.592,126.45) 68.021,130.021 64.387,126.387 cw(c62.245,128.529) 62.245,125.5 55.5,125.5 cw(c55.5,127) 54,127 54,151.344 cw(c57.997,151.344) 55.171,154.171 56.208,155.208 cw(c61.5,149.916) 61.5,157.4 134.12,157.4 cw(c134.12,152.621) 137.5,156 146.293,147.207 cw(c144.586,145.5) 147,145.5 147,129.45 cw(c143.5,129.45) 145.975,126.975 144.207,125.207 ccw(c145.914,123.5) 143.5,123.5 143.5,122.5 ccw(c145,122.5) 145,121 ccw(c145,122.5) 146.5,122.5 146.5,123.5 cw(c148.914,123.5) 147.207,125.207 148.121,126.121 ccw(c144.793,129.45) 149.5,129.45 149.5,145.5 ccw(c144.672,145.5) 148.086,148.914 139.5,157.5 ccw(c134.672,152.672) 134.672,159.5 59.471,159.5 ccw(c59.471,149.914) 52.692,156.692 ccw(c57.983,151.4) 50.5,151.4 50.5,125 ccw(c52.5,125)
NetSA2_3 on BOT "NONET_L-01_P-001" (solid, pour order 10): 42,63.803 42,62.75 ccw(c43.7,62.75) 43.7,61.05 46.3,61.05 ccw(c46.3,62.75) 48,62.75 48,63.385 cw(c53.106,63.385) 49.496,66.996 ccw(c45.864,70.627) 51,70.627 51,78.5 ccw(c48,78.5) 48,81.5 44.5,81.5 ccw(c44.5,80) 43,80 ccw(c44.5,80) 44.5,78.5 46,78.5 cw(c46,76.5) 48,76.5 48,73.268 cw(c43.733,73.268) 46.75,70.25 43.2,66.7 ccw(c46.097,63.803)
NetVD4_2 on BOT "NONET_L-01_P-001" (solid, pour order 25): 152.2,117 152.2,115.2 ccw(c152.9,115.2) 152.9,114.5 155.81,114.5 cw(c155.81,112.11) 157.5,113.8 158.858,112.442 ccw(c159.925,113.51) 159.925,112 162.3,112 ccw(c162.3,113) 163.3,113 ccw(c162.3,113) 162.3,114 160.924,114 cw(c160.924,115.024) 160.2,114.3 157.1,117.4 ccw(c156.255,116.555) 156.255,117.75 152.95,117.75 ccw(c152.95,117)
GND on BOT "NONET_L-01_P-001" (solid, pour order 3): 107.5,123.5 107.5,123.2 cw(c102.5,123.2) 102.5,118.2 84.2,118.2 ccw(c84.2,116.2) 82.2,116.2 82.2,78.627 cw(c70.787,78.627) 78.857,70.557 70.018,61.718 ccw(c79.237,52.5) 66.2,52.5 66.2,40 ccw(c72.7,40) 72.7,33.5 77.7,33.5 ccw(c77.7,40) 84.2,40 84.2,46.626 cw(c96.933,46.626) 87.929,55.629 103.866,71.567 cw(c109.5,65.933) 109.5,73.9 111.2,73.9 ccw(c111.2,80.9) 118.2,80.9 118.2,123.5 ccw(c114.7,123.5) 114.7,127 111,127 ccw(c111,123.5)
VCC_5V0 on BOT "NONET_L-01_P-001" (solid, pour order 16): 83.1,132.6 74.8,132.6 cw(c74.8,133.6) 73.8,133.6 73.8,142 75.3,142 75.3,141.4 ccw(c76.5,141.4) 76.5,140.2 83.1,140.2 cw(c83.1,139.2) 84.1,139.2 84.1,133.6 cw(c83.1,133.6)
no net on Bottom Solder "NONET_L-01_P-001" (solid): 48.75,101.25 50.25,101.25 50.75,100.75 51.25,101.25 52.75,101.25 52.75,100.25 52.25,99.75 52.75,99.25 52.75,98.25 51.25,98.25 50.75,98.75 50.25,98.25 48.75,98.25 48.75,99.25 49.25,99.75 48.75,100.25

## Other copper
TOP:
  pour cut-out: 111,100 ccw(c113,100) 113,98 ccw(c113,100) 115,100 ccw(c113,100) 113,102 ccw(c113,100)
  pour cut-out: 85,100 ccw(c87,100) 87,98 ccw(c87,100) 89,100 ccw(c87,100) 87,102 ccw(c87,100)
Multi-Layer:
  pour cut-out: 91.4,110 ccw(c94,110) 94,107.4 ccw(c94,110) 96.6,110 ccw(c94,110) 94,112.6 ccw(c94,110)
  pour cut-out: 103.4,110 ccw(c106,110) 106,107.4 ccw(c106,110) 108.6,110 ccw(c106,110) 106,112.6 ccw(c106,110)
  pour cut-out: 103.4,90 ccw(c106,90) 106,87.4 ccw(c106,90) 108.6,90 ccw(c106,90) 106,92.6 ccw(c106,90)
  pour cut-out: 91.4,90 ccw(c94,90) 94,87.4 ccw(c94,90) 96.6,90 ccw(c94,90) 94,92.6 ccw(c94,90)

## Silkscreen, mask and mechanical layers (free items; w line width, h text height)
Top Overlay:
  text "HD44780 DISPLAY" at 77.528,153.95 h1.1
  text "GND" at 125.55,150.284 h1.1 r90
  text "VCC" at 133.3,150.284 h1.1 r90
  text "SWIO" at 130.55,149.826 h1.1 r90
  text "NRST" at 128.05,149.734 h1.1 r90
  text "NTC" at 145.55,117.534 h1.1 r90
  text "X" at 110.399,58.751 h20
  text "O" at 94.963,58.519 h20
  text "W" at 76.177,56.603 h20
  text "OPEN-PSU PROJECT" at 91.386,38.95 h1.1
  text "POWER LOAD" at 94.685,36.45 h1.1
  text "19-JAN-23 REV. A" at 50.2,33.95 h1.1
  text "DESIGNED BY KIRRA" at 91.02,33.95 h1.1
Bottom Overlay:
  circle w0.2: c106,90 r3.5
  circle w0.2: c94,90 r3.5
  circle w0.2: c94,110 r3.5
  circle w0.2: c106,110 r3.5
  lines w0.2: 60,66.22 60,74 ; 60,126 60,133.78 ; 62.5,68.14 62.5,74 ; 62.5,126 62.5,131.86 ; 64,68.4 64,74 ; 64,126 64,131.6 ; 66.22,60 74,60 ; 66.22,140 74,140 ; 68.14,62.5 74,62.5 ; 68.14,137.5 74,137.5 ; 68.4,64 74,64 ; 68.4,136 74,136 ; 126,60 133.78,60 ; 126,62.5 131.86,62.5 ; 126,64 131.6,64 ; 126,136 131.6,136 ; 126,137.5 131.86,137.5 ; 126,140 133.78,140 ; 136,68.4 136,74 ; 136,126 136,131.6 ; 137.5,68.14 137.5,74 ; 137.5,126 137.5,131.86 ; 140,66.22 140,74 ; 140,126 140,133.78
  text "B" at 80.366,115 h1
  text "E" at 120.366,115 h1
  text "E" at 60.833,111.7 h1
  text "B" at 138.7,111.7 h1
  text "C" at 60.833,109.5 h1
  text "C" at 80.366,109.5 h1
  text "C" at 120.366,109.5 h1
  text "C" at 138.7,109.5 h1
  text "B" at 60.833,107.3 h1
  text "E" at 138.7,107.3 h1
  text "E" at 80.366,104 h1
  text "B" at 120.366,104 h1
  text "B" at 80.366,95 h1
  text "E" at 120.366,95 h1
  text "E" at 60.833,91.7 h1
  text "B" at 138.7,91.7 h1
  text "C" at 60.833,89.5 h1
  text "C" at 80.366,89.5 h1
  text "C" at 120.366,89.5 h1
  text "C" at 138.7,89.5 h1
  text "B" at 60.833,87.3 h1
  text "E" at 138.7,87.3 h1
  text "E" at 80.366,84 h1
  text "B" at 120.366,84 h1
  text "LGA771/LGA775 (72x72mm)" at 125.3,63.5 h1
  text "LGA115x (75x75 mm)" at 125.3,62 h1
  text "LGA1366 (80x80 mm)" at 125.3,59.5 h1
Outline:
  the board outline again, w0.2
Bottom Assy:
  circle w0.05: c64,136 r2.5
  circle w0.05: c62.5,137.5 r2.5
  circle w0.05: c60,140 r2.5
  circle w0.05: c137.5,137.5 r2.5
  circle w0.05: c136,136 r2.5
  circle w0.05: c140,140 r2.5
  circle w0.05: c136,64 r2.5
  circle w0.05: c137.5,62.5 r2.5
  circle w0.05: c140,60 r2.5
  circle w0.05: c64,64 r2.5
  circle w0.05: c62.5,62.5 r2.5
  circle w0.05: c60,60 r2.5
  lines w0.2: 60,60 140,60 140,140 60,140 60,60

## Text inside footprints (layer, text, board x,y; h text height)
HG1: Top Overlay "DB7" at 101.569,144.867 h1.1 r90; Top Overlay "DB6" at 99.029,144.867 h1.1 r90; Top Overlay "DB5" at 96.489,144.867 h1.1 r90; Top Overlay "DB4" at 93.949,144.867 h1.1 r90; Top Overlay "DB3" at 91.409,144.867 h1.1 r90; Top Overlay "DB2" at 88.869,144.867 h1.1 r90; Top Overlay "DB1" at 86.329,145.234 h1.1 r90; Top Overlay "DB0" at 83.789,144.867 h1.1 r90; Top Overlay "EN" at 81.249,145.967 h1.1 r90; Top Overlay "R/W" at 78.709,144.867 h1.1 r90; Top Overlay "RS" at 76.17,145.967 h1.1 r90; Top Overlay "VE" at 73.63,145.967 h1.1 r90; Top Overlay "VDD" at 71.09,144.868 h1.1 r90; Top Overlay "VSS" at 68.55,144.868 h1.1 r90; Top Overlay "LED+" at 104.109,143.767 h1.1 r90; Top Overlay "LED-" at 106.649,143.767 h1.1 r90
R35: Top Overlay "SENSE" at 106.55,45.434 h1.1 r90
R36: Top Overlay "SENSE" at 102.55,45.434 h1.1 r90
R37: Top Overlay "SENSE" at 98.55,45.434 h1.1 r90
R38: Top Overlay "SENSE" at 94.55,45.434 h1.1 r90
XS1: Top Assy "GND" at 155.718,56.975 h1; Top Assy "D+" at 153.562,56.975 h1; Top Assy "D-" at 153.439,62.375 h1; Top Assy "VBUS" at 155.485,62.375 h1